# KiCad board Rogelio Pineda - connect 4 AMLDC-2044B.kicad_pcb (continued)
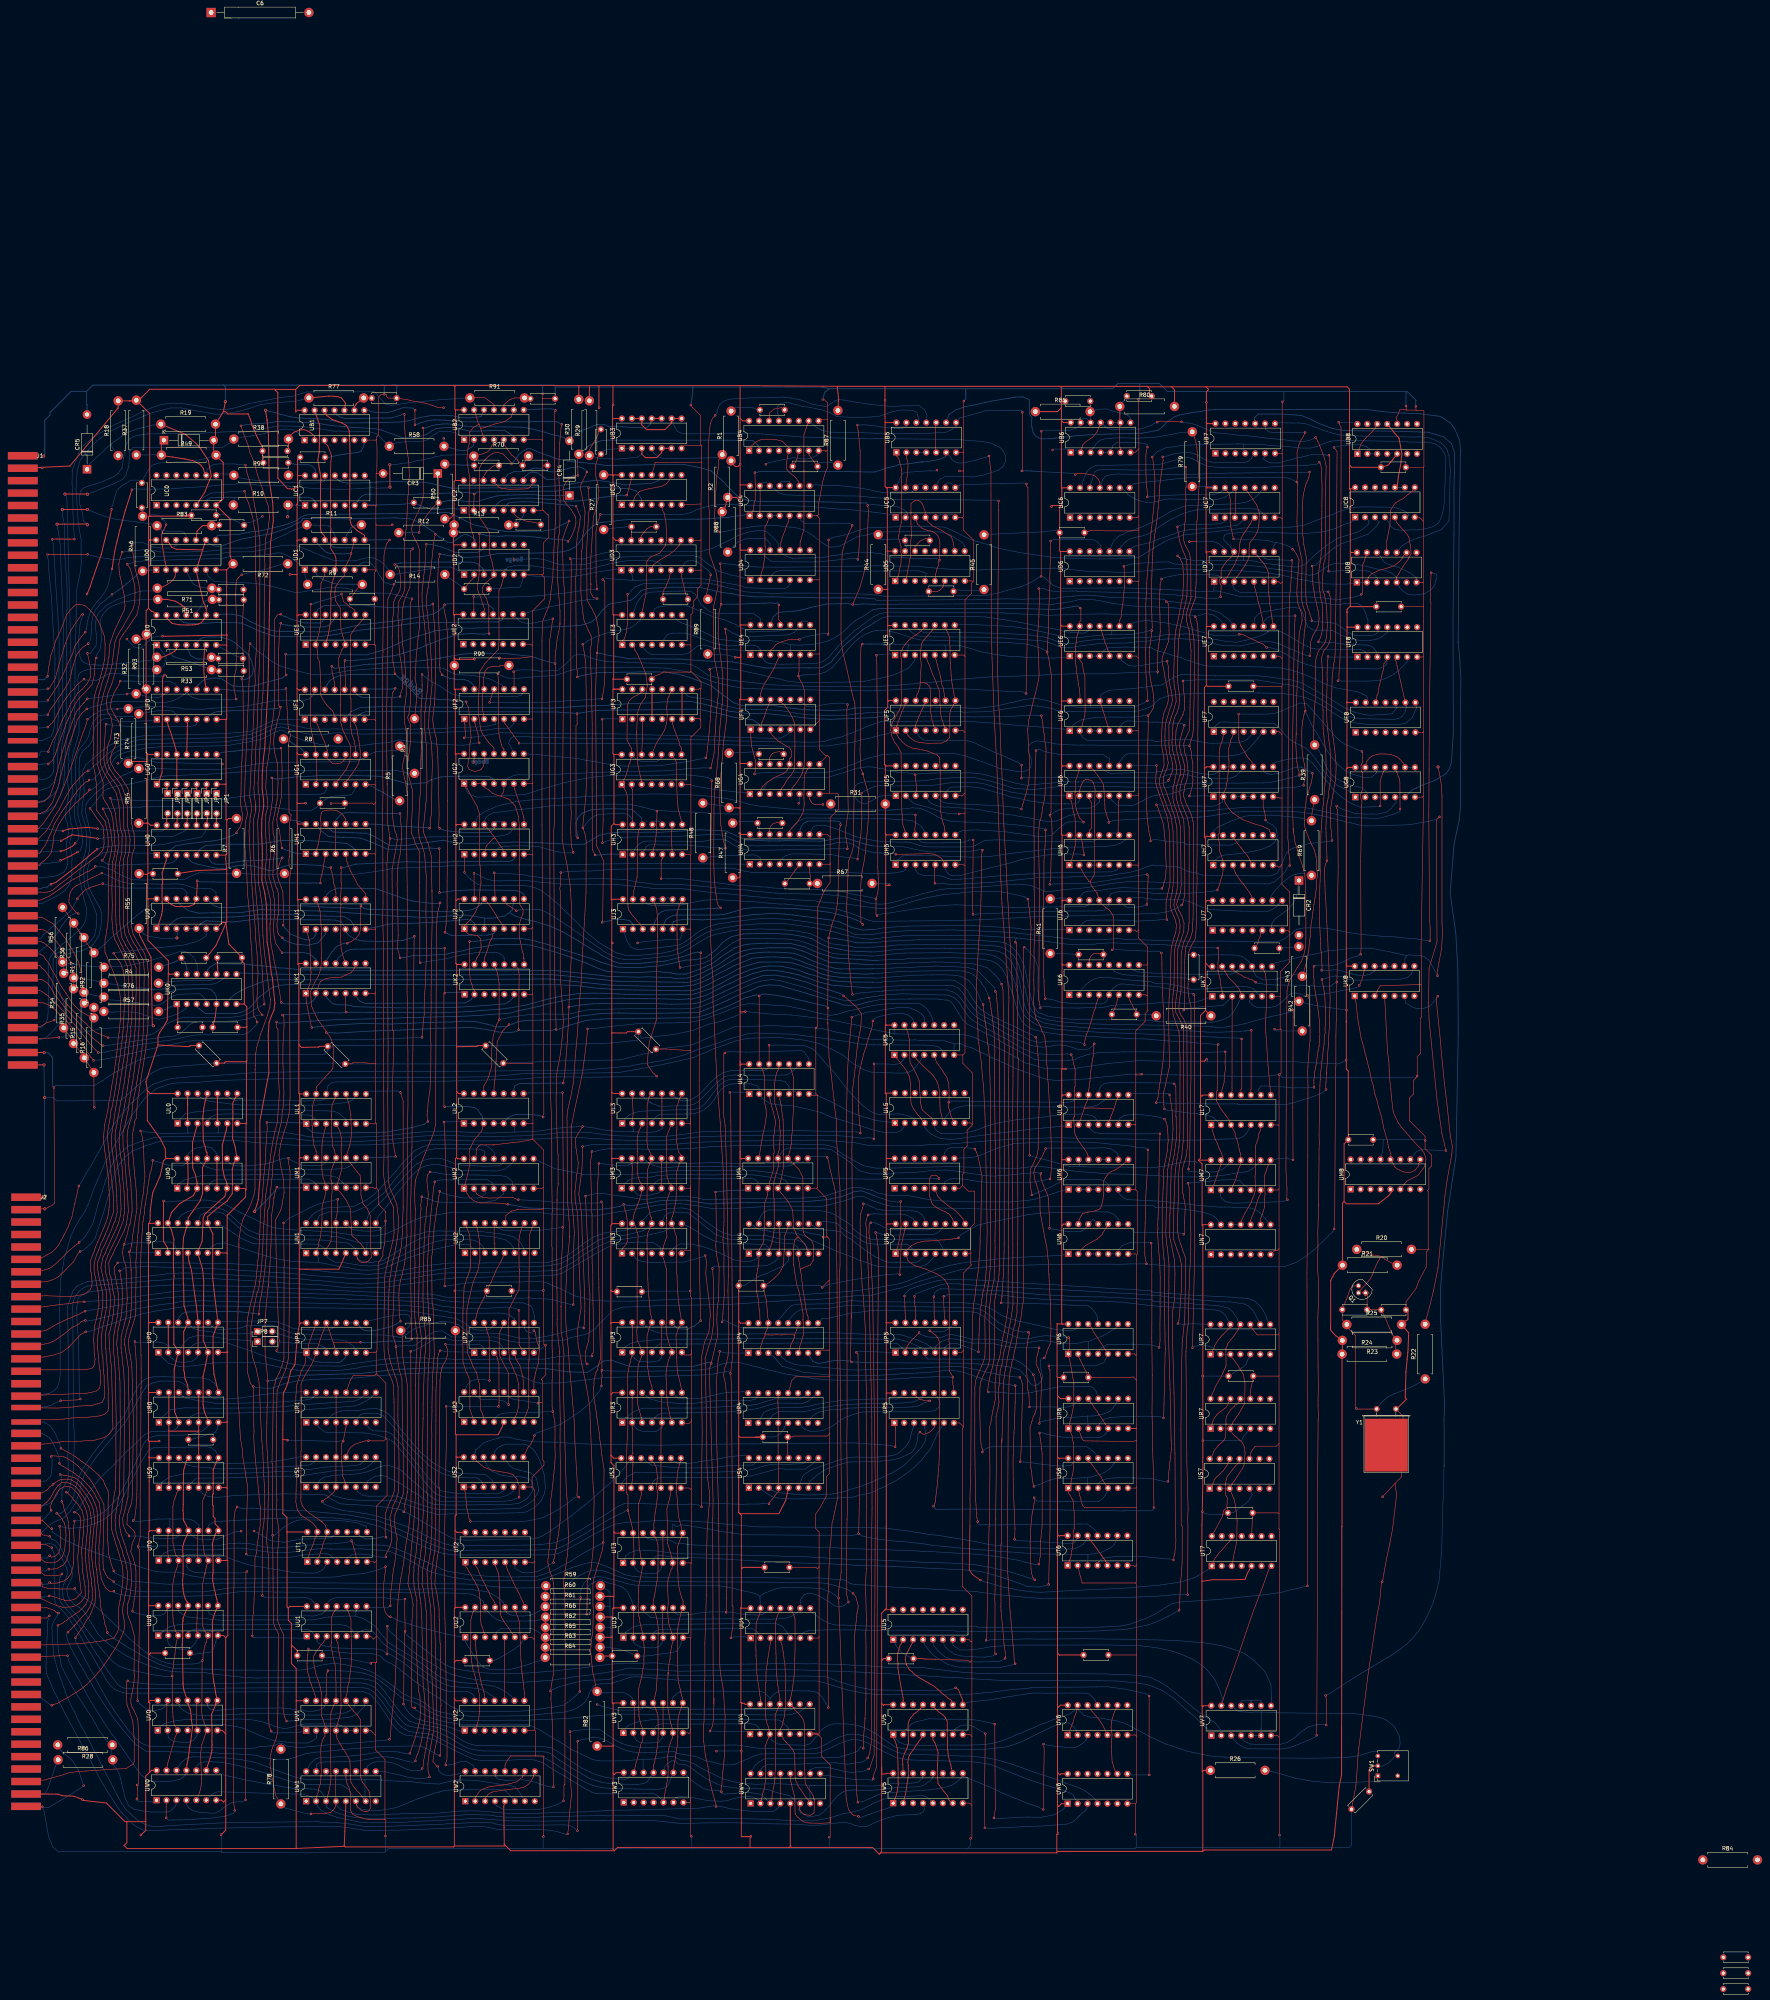
[diagram p0: board, top side]
## Routing (per net, layer and track width the routed paths; a pad name or vN(x,y) marks a point on that pad's centre or on a via; arc(x,y) is an arc through that point) (continued)
G2p1: length 409.6
  Top w0.15: 342.91,166.17 342.89,166.2 v1(342.98,166.2) 342.98,166.11 343.18,165.91 343.18,163.18 342.88,162.89 UP6.1 342.88,161.24 343.24,160.71 343.4,159.56 343.63,158.43 344.03,155.98 344.26,155.13 344.31,154.13 344.3,153.16 344.3,148.75 344.17,148.47 344.1,147.99 343.79,146.41 343.57,145.52 343.44,145.14 343.24,144.33 UR6.1 343.52,141.91 343.87,141.14 343.89,140.41 344.18,139.32 344.25,139.05 344.25,136.16 344.3,134.56 344.25,133.32 344.21,132.39 343.95,131.18 343.66,129.79 343.53,128.38 US6.1 343.03,126.29 343.35,125.87 344.1,124.58 344.39,121.61 344.42,119.2 344.4,118 344.42,117.34 344.16,116.67 344.16,114.51 343.94,112.49 343.77,111.64 343.65,110.69 343.41,109.73 ; v1(254.45,170.18) 254.65,172.38 254.8,174.62 255,177 254.96,180.18 254.89,183.9 254.94,187.59 254.67,191.1 254.94,195.86 254.91,200.31 254.85,204.8 254.71,208.87 254.31,215.14 254.2,216.45 253.96,221.17 253.53,226.26 253.13,231.64 252.89,236.78 252.69,240.36 252.44,246.46 252.11,251.73 252.13,257.73 251.8,261.2 251.71,264.05 251.42,269.01 251.58,270.27 251.47,271.96 251.47,274.5 251.58,280.84 251.49,287.38 251.78,305.81 251.71,306.79 251.82,307.37 v1(251.78,308.41) ; UK2.13 191.81,263.19 191.97,263.35 192.35,264 192.52,264.67 192.88,265.39 192.78,267.93 191.95,268.86 189.7,269.16 188.58,270.2 UJ2.1 188.58,271.38 190.12,272.89 191.44,274.87 192.34,276.96 192.64,281.43 192.85,282.32 192.74,284.32 192.78,284.85 192.55,286.95 192.45,287.55 192.45,299.93 191.9,301.5 191.9,301.69 190.04,305 189.35,306.31 188.53,307.13 UG2.1
  Top w0.2: 343.41,109.73 UT6.1
  Bottom w0.15: v1(342.98,166.2) 339.65,166.51 338.71,166.55 337.12,166.65 336.32,166.55 335.25,166.44 334.42,166.23 333.78,166.09 333.44,165.96 331.42,165.85 329.76,166.2 325.3,168.12 324.09,169.04 323.32,169.73 321.46,171.43 319.58,172.55 317.39,172.8 314.95,172.86 314.52,172.88 312.47,172.88 312.41,172.93 309.8,172.93 308.94,172.91 295.36,173.1 295.48,173.08 292.74,173.07 291.83,172.98 290.68,172.81 289.84,172.66 287.53,172.48 285.1,171.86 282.52,171.34 281.78,171.14 279.99,170.99 UP4.9 278.76,168.93 278.23,168.59 276.77,168.54 275.57,168.55 260.56,168.42 259.57,168.69 257.93,169.17 256.58,169.76 255.95,170.19 254.95,170.68 254.45,170.18 v1(254.45,170.18) ; v1(251.78,308.41) 251.78,308.75 250.89,309.1 250.63,309.23 249.22,309.47 246.94,309.74 244.86,309.9 243.77,309.98 236.22,309.68 227.1,309.74 225.17,309.65 222.51,309.44 221.27,309.27 219.45,308.95 217.43,308.6 214.55,307.99 213.24,307.61 211.69,307.2 210.62,306.89 208.04,306.18 206.23,305.54 204.66,305.04 204.04,304.86 202.58,304.81 201.86,304.69 199.97,304.68 199.28,304.67 198.89,304.64 196.53,304.43 195.54,304.4 191.99,304.18 190.92,304.51 189.6,305.13 188.91,306.49 UG2.1
G2p4: length 114.6
  Top w0.15: v1(139.4,309.11) 139.59,308.92 139.59,303.89 139.22,301.04 138.66,297.82 138.71,294.68 139.07,291.67 139.03,290.73 139.03,288.98 138.77,287.61 138.66,283.89 139.16,282.14 139.75,279.92 139.91,278.63 140.03,278.13 140.05,276.57 140.06,274.9 140.1,274.17 139.89,272.43 139.82,270.72 139.99,268.63 140.23,267.54 140.4,266.81 v1(142,264.45)
  Bottom w0.2: UK1.13 150.67,262.76 150.13,263.22 149.6,263.74 148.86,264.2 147.54,264.5 146.06,264.48 145.5,264.41 145.07,264.45 v1(142,264.45) ; v1(139.4,309.11) 140.25,308.82 141.31,308.87 145.64,309.36 149.96,309.58 151.31,309.69 152.75,309.77 158.38,309.8 164.05,309.61 166.94,309.52 168.17,309.24 169.4,308.89 174.46,307.51 178.78,307.89 180.13,308.63 182.58,309.36 186.24,309.53 188.53,309.55 190.68,309.57 194.88,309.49 196.24,308.63 UG2.4
G2p6: length 10.8
  Top w0.15: UH2.8 203.86,298.53 203.7,299.24 203.23,301 202.53,302.93 201.99,304.62 201.36,306.38 UG2.6
G2p8: length 125.5
  Top w0.15: v1(250.28,314.22) 250.45,314.7 250.73,316.59 250.74,316.95 251.02,319.57 251.12,320.59 251.4,323.8 251.51,324.96 251.6,327.58 251.65,327.63 251.65,331.81 251.66,332.85 251.46,335.42 251.41,336.15 v1(251.26,336.87)
  Bottom w0.15: v1(251.26,336.87) 251.49,336.87 252.01,337.18 252.84,337.36 253.93,337.26 254.95,337.21 258.12,336.77 261.64,336.01 264.06,335.52 266.77,334.84 268.72,334.45 271.36,333.8 274.5,333.43 281.08,333.53 284.63,333.54 288.67,333.65 290.19,333.75 291.58,333.9 292.72,334.19 294.84,334.55 296.15,334.88 298.34,335.46 300.33,336.29 302.1,337.2 302.98,338.21 303.77,339.28 UE5.3 ; UG2.8 204.94,315.25 205.7,315.1 206.95,315.09 211.9,314.6 214.15,314.38 217.68,314.06 219.52,313.62 222.54,313.16 224.09,312.8 229.47,312.12 233.16,312.11 238.93,312.28 243.19,312.91 246.39,313.42 247.84,313.73 249.31,314.01 249.93,314.22 v1(250.28,314.22)
G2p9: length 373.1
  Top w0.15: v1(367.03,391.11) 367.01,391.09 367.14,390.31 366.88,388.53 366.67,386.77 366.58,386.26 366.48,385.25 366.35,384.67 366.24,383.61 366.19,382.71 366.16,382.45 366.12,380.76 366.04,379.95 365.96,379.4 365.89,378.2 365.86,378.04 365.59,375.49 365.42,374.2 365.13,372.18 364.91,370.82 364.75,369.09 364.65,368.2 364.51,367.36 364.48,366.6 364.45,365.77 364.39,364.9 364.27,361.85 364.25,360.85 364.11,357.43 364.11,355.65 364.18,352.5 364.16,351.92 364.26,350.95 364.24,349.99 364.37,347.44 364.19,346.87 v1(364.19,346.74) 364.2,346.01 363.8,343.26 363.66,342.5 363.63,341.06 363.64,340.16 363.64,338.62 363.69,337.59 363.65,336 364.02,333.55 364.35,332.07 364.63,330.42 364.73,329.62 364.73,328.71 364.78,327.99 364.72,327.57 364.62,326.98 364.12,326.06 363.72,325.5 363.29,325.07 v1(363.29,325.01) 363.33,322.65 363.23,319.04 362.96,309.82 362.91,308.93 362.88,303.34 362.91,302.54 362.92,301.08 363.01,299.96 362.99,299.74 363.02,298.96 363.08,298.43 363.32,296.7 363.5,295.37 363.74,294.32 363.96,293.48 363.92,293.45 v1(363.92,292.97)
  Bottom w0.15: UH7.11 387,293.66 386.86,293.42 386.83,293.42 385.76,292.48 384.43,291.97 383.42,291.91 383.12,291.95 381.98,291.95 ; 353.91,345.83 353.83,345.75 350.35,345.49 349.3,345.37 346.11,345 345.49,345 345.19,344.98 342.57,345.04 339.6,345.61 336.76,346.29 335.73,346.54 334.15,346.79 332.71,347.13 330.48,347.48 328.91,347.7 326.59,347.86 324.44,348.01 320.35,348.17 319.27,348.29 317.3,348.34 315.59,348.35 314.67,348.37 UE5.8 ; 353.91,345.83 353.84,345.66 358.08,345.7 358.95,345.82 359.63,345.83 361.82,346.25 363.11,346.58 v1(364.19,346.74) ; 353.91,345.83 354.01,346.1 354.07,347.3 UE6.10 ; v1(367.03,391.11) 368.06,391.31 369.36,391.74 369.95,391.86 370.88,392.02 372.65,392.27 374.07,392.16 375.37,391.79 ; v1(363.29,325.01) 362.17,325 361.16,324.84 359.92,324.69 359.34,324.63 356.5,324.63 356.1,324.61 355.66,324.64 352.34,324.64 349.56,324.51 349.01,324.41 348.41,324.34 346.13,323.89 344.77,323.14 344.14,322.63 343.91,322.16 UF6.1 343,321.41 339.62,321.81 337.68,321.88 334.06,322.27 331.15,322.42 326.56,322.82 325.41,322.98 319.26,323.41 318.19,323.47 316.14,323.54 312.97,323.6 312.05,323.6 310.22,323.63 302.31,323.58 302.04,323.5 301.74,323.48 294.99,323.48 294.36,323.25 293.15,322.85 292.63,322.65 292.22,322.55 291.65,322.3 290.59,321.82 289.04,321.19 284.98,319.61 281.76,318.83 280.7,318.47 277.65,318.22 256.76,318.56 255.15,318.68 245.34,318.96 245.3,319 224.99,319.14 222.63,319.1 205.46,319.55 204.49,319.67 201.13,319.7 200.26,319 199.9,317.97 200.65,316.62 200.83,316.29 UG2.9 ; 375.37,391.79 375.88,391.55 377.91,390.28 379.28,389.84 380.56,389.6 387.14,389.63 387.99,389.69 389.04,390.03 389.74,390.68 389.91,391.25 UB7.5 ; 375.37,391.79 375.48,391.76 ; 381.98,291.95 376.89,292.01 372.99,292.13 372.62,292.57 369.08,292.83 367.64,292.97 366.82,293.15 365.18,293.35 364.58,293.32 v1(363.92,292.97) ; 381.98,291.95 382.28,291.95
G2p10: length 233.4
  Top w0.15: v1(332.1,330.66) 332.63,354.83 332.59,383.3 332.19,383.7 v1(332.19,384.19) ; UG2.10 198.69,316.49 198.26,316.92 198.1,317.53 197.76,318.66 197.42,320.34 197.29,328.19 197.31,333.6 v1(197.15,335.68) 197.23,335.57
  Bottom w0.15: v1(197.15,335.68) 198.23,335.18 199.6,334.63 201.44,334.55 202.83,334.61 203.85,334.68 205.07,334.88 205.43,334.82 207.52,335.07 208.97,335.1 210.49,335.18 211.95,335.34 213.89,335.91 214.66,336.23 214.95,336.31 216.56,336.81 218.73,337.25 221.44,337.17 229.22,337.37 236.39,337.27 240.28,337.14 245.85,336.14 247.15,335.78 248.7,335 252.62,333.5 257.08,332.47 260.23,331.94 271.4,331.7 281.29,331.51 291.72,331.35 292.57,331.35 294.19,331.44 299.06,331.62 301.43,331.77 305.18,332 307.66,331.99 310.25,331.99 312.32,331.93 315.05,331.86 316.69,331.81 320.78,331.58 324.87,331.34 327.32,331.21 328.99,331.14 331.27,331.12 331.87,330.66 v1(332.1,330.66) ; v1(332.19,384.19) 331.32,384.43 330.21,384.41 328.45,384.29 327.85,384.31 325.74,384.31 325.71,384.34 321.52,384.16 320.61,384.13 319.19,384.11 318.53,384.06 315.24,383.94 UC5.8 312.83,384.44 311.87,384.44 311.48,384.05 UC5.9
G3p8: length 9.5
  Top w0.15: UF3.6 241.78,323.05 241.98,322.15 243.47,318.25 243.62,317.39 243.96,316.94 244.05,316.85 UG3.8
G3p9: length 18.4
  Top w0.15: UH3.8 243.19,301.31 243.01,303.32 242.83,307.24 242.72,312.9 242.7,313.25 242.4,313.86 UG3.9
G3p11: length 17.9
  Top w0.15: UF3.11 241.23,330.95 240.86,329.92 240.5,329.26 240.28,327.12 240.43,324.94 240.28,323.21 239.71,321.22 237.61,317.91 UG3.11
G3p12: length 9.1
  Top w0.15: UG3.12 234.08,319.04 234.13,320 234.13,320.65 UF3.3
G5p4: length 135.7
  Top w0.15: 427.44,308.9 427.17,309.57 UG8.10 ; 427.68,300.96 427.68,301.13 v1(427.66,301.16) 427.61,308.12 427.42,308.99
  Bottom w0.15: 378.68,300.67 374.71,300.58 373.91,300.55 373.25,300.51 367.31,300.65 365.65,300.66 359.54,300.57 358.55,300.56 356.46,300.42 355.68,300.36 354.56,300.24 345.37,299.94 344.03,299.68 343.16,299.57 341.33,298.72 339.78,298.07 338.11,297.98 336.47,298.15 335.53,298.35 333.89,298.69 332.15,299.04 330.24,299.29 328.63,299.63 325.75,300 324.56,300.29 324.13,300.33 321.94,300.62 320.8,300.89 318.3,301.18 316.19,301.38 312.16,301.66 311.43,301.63 310.2,301.75 308.82,302.19 307.83,302.61 307.31,303.13 306.8,303.81 UG5.4 ; 378.68,300.67 379.78,300.72 380.97,300.97 381.98,301.12 383.48,301.21 388.33,301.64 390.29,301.62 402.71,301.63 403.57,301.49 405.32,301.16 406.86,300.81 410.12,300.08 411.45,299.77 413.73,299.18 414.41,299.1 414.9,299.01 415.59,299.01 421.8,298.72 423.87,299.21 426.3,299.93 427.64,300.59 v1(427.66,301.16) ; 378.68,300.67 378.99,300.68
G5p5: length 179.9
  Top w0.15: v1(330.91,301.16) 331.27,302.4 331.66,303.62 331.87,304.39 332.13,305.18 332.42,306.47 332.73,307.62 332.92,309.85 332.94,311.07 332.98,312.81 332.94,314.55 332.78,315.92 332.52,321.34 332.57,321.75 332.77,323.84 332.96,324.53 333.06,325.08 333.3,325.79 333.61,327.36 333.77,327.92 334.12,329.37 334.46,330.5 335.26,334.01 335.43,335.47 335.28,340.59 335.02,344.84 335.38,350.27 335.41,351.52 335.58,356.47 v1(335.35,357.46) ; UD7.12 384.9,366.49 384.76,365.82 384.21,365.14 383.86,364.91 383.56,364.6 383.13,364.17 382.08,362.62 381.94,361.6 381.98,360.17 381.51,359.86 381.73,358.41 381.95,358.25 381.93,357.61 v1(381.81,355.39) 381.93,355.34
  Bottom w0.15: UD7.12 384.04,368.54 383.78,368.68 383.4,369.08 382.63,369.9 382.63,370.44 382.74,370.98 382.92,371.25 384.05,371.6 384.82,371.63 385.16,371.6 388,371.9 389.01,371.95 394.42,371.74 395.44,371.74 403.21,371.47 408.47,372.04 411.09,372.79 413.26,373.8 415.33,374.49 UC8.1 ; UG5.5 309.93,303.54 310.65,302.98 311.66,302.68 314.67,302.4 316.45,302.39 318.85,302.34 321.67,302.15 325.88,301.96 327.47,301.79 328.89,301.65 329.86,301.54 v1(330.91,301.16) ; 380.39,354.99 379.27,354.99 378.96,355.02 377.9,355.01 375.63,355.27 ; v1(335.35,357.46) 336.62,357.46 337,357.29 337.51,357.08 338.52,356.85 339.63,356.76 344.98,356.85 345.12,356.71 357.58,356.46 359.51,356.45 360.09,356.45 366.98,356.06 368.03,355.95 369.66,355.88 370.79,355.77 372.31,355.64 374.5,355.43 375.63,355.27 ; 375.63,355.27 375.8,355.24 ; 380.2,354.99 381.04,355.02 v1(381.81,355.39)
G5p6: length 310.4
  Top w0.15: 408.9,233.59 408.92,234.73 409.07,236.24 409.06,237.46 409.32,240.55 409.33,241.17 409.43,243.22 409.66,246.34 409.67,248.24 409.78,252.72 ; 348.52,282.62 349.52,284.38 349.59,301.12 349.74,306.26 349.35,307.78 348.78,308.46 348.02,308.65 347.76,308.66 347.23,308.64 346.81,308.4 346.44,307.75 345.98,306.77 345.82,305.87 345.73,305.78 UG6.2 ; 348.52,282.62 348.76,281.69 349,281.28 349.67,280.42 350.23,279.79 350.23,279.56 350.5,278.95 UJ6.11 350.8,277.31 351.59,276.83 351.94,276.54 352.42,276.02 352.84,275.7 353.28,275.45 353.7,274.89 353.94,274.55 354.19,274.16 354.47,273.64 354.47,265.52 354.14,265.19 v1(354.07,265.19) 354.07,265.13 354.11,265.16 ; 348.52,282.62 348.15,282.61 347.95,283.08 347.32,283.85 346.52,285.17 UH6.2 ; 409.78,252.81 409.39,263.11 409.27,265.1 409.2,267.52 409.1,268.73 408.93,272.56 408.85,274.19 408.65,278.19 408.52,279.5 408.46,281.66 408.44,282.65 408.31,285.17 408.52,286.82 v1(408.97,287.96) 408.97,289.01 408.77,294.24 408.75,295.17 408.7,296.16 408.95,302.24 409.12,303.12 409.27,303.91 409.53,306.36 409.77,307.75 409.99,309.03 409.99,310.79 409.78,316.45 409.47,318.74 409.18,321.45 408.98,323.41 408.87,326.54 408.81,327.22 408.86,327.47 409.04,334.18 409.01,335.93 409.15,337.73 409.15,338.84 v1(409.26,340.13) ; 408.9,234.07 408.78,232.32 408.73,231.32 408.67,230.43 v1(408.75,229.52) ; v1(365.36,226.16) 365.82,227.6 366.04,229.41 366.22,230.8 366.51,232.19 366.54,233.08 366.72,233.72 366.85,235.07 367.03,236.1 367.29,238.92 367.38,242.17 367.4,242.95 367.26,248.95 367.22,249.19 367.2,249.86 367.04,252.95 366.96,253.95 366.81,261.3 366.81,261.74 366.79,263.27 v1(366.67,264.4)
  Bottom w0.15: v1(365.36,226.16) 366.33,226.17 367.16,226.17 368.18,226 371.55,225.96 373.64,226.06 374.63,226 378.42,225.85 ; UG6.2 345.73,303.36 345.53,302.93 344.76,302.48 341.85,302.48 ; v1(354.07,265.19) 354.18,265.29 363.9,264.83 365.43,264.86 366.29,264.76 v1(366.67,264.4) ; v1(408.75,229.52) 407.88,228.73 407.12,228.39 404.69,227.44 402.86,226.91 401.49,226.46 400.56,226.16 399.28,225.87 398.61,225.67 386.31,225.67 386.13,225.85 378.42,225.85 ; UE8.1 409.41,339.98 v1(409.26,340.13) ; UG5.6 311.75,305.5 311.97,305.94 312.77,306.75 316.94,306.86 319.71,306.72 321.55,306.27 323.05,305.8 325.81,305.03 328.37,304.2 330.37,303.88 332.75,303.28 335.39,302.9 336.41,302.71 338.2,302.64 339.45,302.48 341.85,302.48 ; 341.85,302.48 342.27,302.48 ; 378.42,225.85 378.47,225.85
G6p1: length 18.3
  Top w0.15: 343.19,304.55 343.19,303.73 343.74,303.17 343.99,301.38 344.24,300.29 344.5,299.64 344.73,297.66 344.72,296.69 344.72,295.53 344.62,294.38 344.68,293.52 344.83,292.84 344.7,292.12 344.53,291.34 344.42,290.73 344.27,289.99 344.1,289.29 343.82,288.37 UH6.1
G6p3: length 10.5
  Top w0.15: UG6.3 348.27,303.77 348.76,302.87 348.87,296.36 348.26,295.75 UH6.12
G6p6: length 13.3
  Top w0.15: UH6.9 355.61,295.51 355.74,302.65 355.74,303.39 355.89,303.54 UG6.6
  Bottom w0.15: UH6.10 354.08,295.02 355.56,295.03 355.88,294.71 UH6.9
G6p8: length 71
  Top w0.15: v1(368.06,272.91) 367.97,273.65 367.92,274.06 367.86,274.78 367.87,277.38 368.13,278.74 368.47,280.23 368.62,280.87 368.83,281.84 368.89,282.57 368.81,294.36 368.52,297.01 368.08,299.43 367.45,301.12 366.87,302.92 366.47,303.89 365.79,305.9 365.53,306.53 365.28,307.53 365.23,308.26 365.3,309.99 365.52,311.26 v1(365.41,312.28)
  Bottom w0.15: v1(365.41,312.28) 359.33,312.34 359.12,312.56 358.73,312.17 UG6.8 ; v1(368.06,272.91) 366.68,272.91 366.03,272.84 364.31,272.68 360.19,272.55 359.63,272.61 358.86,272.56 355.78,272.79 355.12,272.8 349.28,272.8 348.77,272.78 347.56,272.69 346.55,272.05 346.11,271.36 UJ6.2
G6p9: length 41.8
  Bottom w0.15: 375.63,314.83 375.08,314.89 359.2,315.3 358.95,315.3 358.02,315.21 357.44,315.02 356.72,314.21 355.89,313.14 UG6.9 ; 375.63,314.83 376.08,314.78 ; 375.63,314.83 381.58,314.63 383.37,314.63 384.24,314.75 384.72,314.75 385.28,314.89 ; 385.28,314.89 386.48,315.09 388.15,315.82 389.02,316.57 390.03,317.69 390.56,318.26 391.17,319.03 391.32,319.25 391.69,319.68 392.07,320.19 UF7.6 ; 385.28,314.89 385.38,314.89
G6p10: length 160.3
  Top w0.15: v1(338.22,206.68) 338.45,207.85 338.6,210.44 338.6,211.76 338.58,213.26 338.5,216.61 338.32,221.28 338.17,224.19 337.76,230.92 337.59,232.99 337.48,235.28 337.4,235.9 337.22,240.28 337.07,241.42 336.84,243.21 336.06,244.72 335.74,245.77 334.66,247.59 334.21,249.83 334.01,251.73 334.14,255.05 334.08,257.5 334.16,262.57 334.14,264.92 334.31,270.76 334.23,270.85 334.23,279.06 334.16,280.68 334.16,294.07 334.11,294.12 334.11,295.98 334.14,297.97 334.4,308.86 334.46,311.66 v1(334.63,316.11)
  Bottom w0.15: UG6.10 353.45,313.98 352.55,314.56 351.78,315.06 349.31,315.06 348.77,315.05 346.8,315.03 341.61,315.06 340.77,315.06 338.57,315.47 337.66,315.66 336.48,315.97 335.4,316.47 335.21,316.34 v1(334.63,316.11) ; UM5.6 311.3,205.89 312.59,206.67 313.68,206.78 314.33,206.81 317.07,206.49 318.31,206.27 321.7,205.84 326.71,205.81 330.27,205.79 332.39,205.81 334.25,205.88 335.17,206.08 v1(338.22,206.68)
G6p11: length 35.9
  Bottom w0.15: UG7.12 UG7.13 381.69,311.02 381.03,310.52 380.28,310.08 378.74,310.02 377.74,310.13 375.49,310.53 374.93,310.63 372.61,311.19 371.04,311.31 369.79,311.29 368.94,311.4 367.47,310.92 365.72,310.68 364.9,310.51 359.94,310.44 354.81,310.31 353.75,310.26 353.17,310.43 352.68,310.67 352.3,310.92 351.67,311.4 351.09,312.17 UG6.11
G6p12: length 198.3
  Top w0.15: v1(437.75,299.17) 436.97,298.39 436.97,284.75 437.1,267.22 435.06,260.49 434.94,251.6 435.06,247.41 437.1,226.96 438.37,218.2 v1(439.38,213.92) ; 353.27,297.67 353.24,297.7 v1(353.24,297.73) 353.21,297.73 353.24,298.31 352.95,298.85 352.7,299.64 352.26,301.13 352.23,302.24 352.2,303.29 351.93,306.99 351.92,307.29 351.34,308.34 351.04,308.8 350.6,309.53 349.65,310.68 349.3,311.15 UG6.12
  Bottom w0.15: 376.39,299.08 376.63,299.12 ; 376.39,299.08 378.5,299.31 379.37,299.38 381.07,299.71 382.62,299.93 384.88,300.35 386.5,300.44 391.64,300.59 392.32,300.57 397.05,300.65 398.03,300.64 399.66,300.6 402.65,300.31 404.19,300.07 406.25,299.71 407.01,299.57 409.07,299.15 410.87,298.69 412.58,298.21 412.95,298.16 413.71,297.9 415.19,297.62 417.07,297.11 419.05,296.82 425.24,296.97 430.27,297.17 435.13,298.07 435.78,298.21 437.03,298.58 v1(437.75,299.17) 437.66,299.21 ; 376.39,299.08 372.99,298.85 370.22,298.95 369.53,298.84 368.61,298.87 367.66,298.88 365.58,298.98 363.57,298.83 361.1,298.63 359.88,298.57 356.22,298.35 355.24,298.22 354.26,298.13 353.74,297.95 v1(353.24,297.73) ; 439.42,213.92 v1(439.38,213.92) 434.45,214.1 433.86,214.18 432.58,214.05 431.74,213.57 431.23,212.92 UM8.10
G7p3: length 5.1
  Bottom w0.15: UG7.3 UG7.4 UG7.5
G7p8: length 43.8
  Top w0.15: 422.67,301.82 422.57,301.92 v1(422.57,301.95) 422.57,308.2 422.87,309.36 UG8.11
  Bottom w0.15: UG7.8 395.22,312.59 395.57,312.91 396.09,313.17 397.02,313.42 398.25,313.71 400.67,314.11 401.81,314.23 403.94,314.04 405.16,313.02 405.9,312.14 406.71,311.14 408.2,309.12 409.92,307.16 410.34,306.4 411.99,304.76 414.33,303.07 415.78,302.32 417.46,301.66 418.64,301.65 421.06,301.75 421.11,301.8 422.43,301.8 v1(422.57,301.95)
G7p9: length 99.1
  Top w0.15: R42.2 403.15,258.92 403.08,259.72 403.43,260.87 403.57,261.3 404.01,263.1 404.19,264.53 404.27,264.69 404.33,265.27 404.52,267.22 404.6,267.83 404.72,268.69 404.78,269.95 404.89,271.47 405.18,273.18 405.33,274.58 405.46,275.35 405.64,276.74 405.79,277.57 405.92,278.43 406.09,279.45 406.18,280.31 406.25,280.88 406.25,282.9 406.6,284.15 406.33,286.06 406.37,287.7 406.18,289.01 405.97,289.71 405.8,290.48 405.68,290.89 405.12,291.96 404.77,292.81 404.48,293.36 404.23,293.98 404.08,294.38 403.42,296.1 403.26,296.92 403.18,298.27 403.25,300.04 403.63,303.07 403.87,304.52 404.17,305.29 404.56,306.66 404.93,307.77 405.14,308.78 405.29,309.55 v1(405.26,310.29) 405.29,310.25
  Bottom w0.15: R42.2 402.01,259.11 399.86,258.77 395.76,257.58 392.65,257.53 390.87,258.5 390.47,259.18 UK7.10 389.12,262.04 388.79,262.42 387.27,263.56 384.93,263.9 383.69,263.89 380.85,263.95 376.4,263.79 C48.1 ; UG7.9 392.78,310.69 393.64,310.22 394.75,309.98 396.24,310.19 397.82,310.73 399.84,311.41 401.23,311.89 402.4,311.89 404.65,310.73 v1(405.26,310.29)
G7p10: length 164.1
  Top w0.15: v1(417.59,264.07) 417.71,265.75 417.57,287.77 417.63,289.14 417.76,297.06 417.76,297.95 417.85,302.06 417.92,303.23 417.69,303.72 417.53,304.75 417.99,306.01 418.1,310.4 417.79,310.79 417.65,312.27 417.74,312.36 417.74,312.53 418.14,313.21 418.04,314.33 418.03,315.77 v1(417.92,315.89) ; v1(405.66,260.99) 405.54,260.18 405.61,259.74 405.61,258.33 405.62,258.09 405.7,257.4 405.65,256.68 405.74,256.07 406.02,254.32 406.16,253.39 406.39,252.36 406.59,250.98 406.72,249.57 406.88,248.72 407.05,246.77 407.15,244.04 407.15,243.38 407.01,241.69 406.96,240.59 406.72,239.42 406.24,236.02 406.06,235.1 405.83,233.9 405.76,233.01 405.63,231.83 405.66,231.2 v1(405.66,230.08) ; UG7.10 389.93,312.78 389.71,313.36 389.11,313.94 388.7,314.46 388.54,314.7 387.51,316.47 387.03,317.25 386.77,317.79 386.47,318.79 386.45,319.3 386.45,325.38 v1(386.42,325.42) 386.45,325.45 386.45,325.53
  Bottom w0.15: v1(417.92,315.89) 417.26,316.2 416.69,316.31 415.84,316.71 413.5,317.74 412.13,318.7 411.87,318.95 411.41,319.38 408.9,322.21 408.44,322.65 408.15,323.09 406.08,325.42 405.28,326.42 403.82,328.04 402.24,328.24 400.75,327.69 399.24,327.1 397.57,326.27 395.59,325.58 394.07,325.42 v1(386.42,325.42) ; v1(405.66,260.99) 405.66,261.06 406.19,261.16 ; UL7.9 391.36,229.5 391.7,229.91 392.07,230.38 392.99,230.43 396.96,230.23 398.76,230.11 399.25,230.01 399.91,229.95 403.54,229.95 403.93,229.96 v1(405.66,230.08) ; v1(417.59,264.07) 416.94,263.63 415.48,263.29 414.4,262.82 412.79,261.97 411.34,261.41 410.49,261.19 409.26,261.28 406.89,261.3 406.37,261.21 406.11,261.14
G8p3: length 2.5
  Bottom w0.15: UG8.3 UG8.4
G8p9: length 16.1
  Top w0.15: UG8.9 428.4,312.98 427.59,313.91 427.59,313.96 426.88,314.47 426,314.84 425.31,315.07 423.92,315.22 422.48,315.22 421.86,315.1 420.68,314.77 419.88,314.26 419.27,313.5 419.15,313.26 UG8.13
  Bottom w0.15: UG8.9 UG8.8
H0p5: length 43.6
  Bottom w0.2: UH0.5 120.93,290.79 122.46,291.86 126.46,292.09 129.22,292.18 134.22,292.11 136.65,292.25 141.65,293.13 147.39,293.16 153.23,292.83 158.58,292.37 159.96,291.49 160.77,290.67 160.52,289.98 UH1.6
H0p6: length 50
  Top w0.15: v1(142.27,271.47) 142.42,273.8 142.21,279.91 141.81,281.2 141.14,282.9 140.71,284.71 140.87,285.63 141.6,287.9 v1(142.07,288.72)
  Bottom w0.2: 150.48,268.88 150.5,268.88 ; 150.48,268.88 150.72,269.31 UJ1.2 ; 150.48,268.88 150.27,268.58 149.93,268.16 148.85,267.74 148.21,267.74 146.6,268.22 144.21,269.22 142.86,270.63 v1(142.27,271.47) ; v1(142.07,288.72) 140.84,288.48 139.47,288.35 138.74,288.27 136.23,288.05 134.52,287.97 132.04,287.91 130.38,287.68 128.24,287.23 127.05,287.06 125,287.08 123.96,287.51 UH0.6
H0p8: length 3
  Top w0.25: UH0.8 125.23,299.95 JP1.2
H0p10: length 3
  Top w0.25: JP3.2 120.15,299.87 UH0.10
H0p12: length 3
  Top w0.25: JP5.2 115.27,299.99 115.27,298.91 UH0.12
H1p5: length 13
  Top w0.15: UJ1.8 163.33,279.56 161.36,281.79 160.73,283.13 160.35,283.8 159.57,285.14 158.6,287.61 UH1.5
H1p11: length 329.6
  Top w0.15: 172.53,293.52 172.17,289.6 171.66,287.07 171.41,282.02 171.51,279.2 171.68,268.9 171.49,265.61 v1(172.18,263.16) ; UM7.3 385.17,205.39 385.63,206.36 385.88,207.45 386.08,207.85 386.41,209.31 386.8,210.06 UM7.11 386.95,213.01 386.78,213.46 386.61,213.92 386.32,215.56 385.91,216.92 385.66,217.5 385.47,218.52 UL7.3 384.23,220.71 384.06,221.65 383.23,222.75 382.96,223.16 381.97,224.4 381.62,225.04 380.77,226.64 380.77,229.12 380.97,229.32 380.97,229.9 381.05,229.98 381.05,240.99 381.09,241.03 v1(381.19,241.03) 381.19,241.13 381.12,241.06 ; 172.52,293.31 172.58,294.78 172.41,297.24 v1(172.14,300.03) ; UH1.11 UH1.4
  Bottom w0.15: 340.56,243.62 340.54,243.61 ; 340.54,243.61 338.42,243.92 336.51,244.23 334.53,244.69 333.24,245.18 331.91,246.02 331.06,246.98 330.3,248.46 329.88,249.65 329.32,251.63 328.88,253.02 328.41,254.69 327.8,256.12 327.21,258.05 326.35,259.74 326.17,260.04 325.74,260.65 324.64,261.67 323.38,262.31 322.36,262.55 320.66,262.81 319.18,262.96 317.24,263.05 312.82,263.19 306.56,263.06 305.59,263.1 302.47,262.97 301.75,262.92 300.82,262.78 298.05,262.71 296.88,262.66 293.84,262.52 ; 340.54,243.61 341.02,243.55 342.56,243.48 344.12,243.31 346.18,243.22 352.86,242.83 355.36,242.73 359.06,242.51 360.17,242.48 362.67,242.45 363.71,242.33 370.58,241.74 371.78,241.76 373.71,241.64 374.58,241.57 375.3,241.44 v1(381.19,241.03)
  Bottom w0.2: 294.09,262.52 292.94,262.5 283.81,263.08 282.84,263.21 282.18,263.48 279.24,264.32 277.8,264.92 275.41,266 273.27,266.51 272.07,266.79 266.07,266.9 265.61,266.9 261.35,266.67 260.01,266.44 257.64,265.68 256.81,265.08 254.3,263.5 253.08,262.51 251.88,261.7 250.24,260.96 250.03,260.77 248.65,260.26 246.89,259.58 245.61,259.17 245.32,259.02 244.43,259.01 243.8,259 242.71,259 241.44,259.31 239.58,259.47 237.43,259.69 235.26,259.52 233.87,259.42 230.2,259.34 225.08,259.67 222.75,260.48 219.76,261.79 218.04,262.44 214.92,263.62 212.12,264.53 208.81,265.47 205.58,266.39 203.48,266.59 196.52,266.51 194.41,266.15 190.06,265.53 188.68,265.05 185.23,264.43 183.85,264.06 178.55,263.76 177.77,263.77 177.56,263.74 175.41,263.71 173.85,263.36 172.22,263.11 v1(172.18,263.16) ; 169.43,300.05 169.45,300.03 v1(172.14,300.03) ; UH1.11 155.71,298.24 156.74,299.47 157.11,299.77 157.56,300.03 158.07,300.21 160.14,300.21 170.14,300.03 168.47,300.02
H1p12: length 310.7
  Top w0.15: v1(320.94,290.66) 320.67,289.02 320.68,282.05 320.65,281 320.57,277.99 320.51,275.83 320.24,270.49 320.14,268.76 320.08,268.08 319.91,265.54 319.55,258.71 319.4,256.23 319.4,251.46 319.82,244.25 319.82,242.46 320.04,241.3 320.18,240.03 320.68,236.32 320.94,233.07 321.2,230.63 321.31,228.98 321.43,226.37 321.48,225.05 321.61,223.05 321.87,209.83 322.17,193.21 322.01,186.94 321.98,184.03 321.67,180.44 321.47,179.17 321.06,177.69 320.94,176.81 320.81,176 320.76,175.11 320.57,174.31 320.24,170.83 320.09,166.78 v1(319.94,162.49)
  Bottom w0.15: UP5.6 311.28,162.48 311.37,163.67 312.34,164.46 313.35,164.72 314.4,164.69 314.94,164.43 317.06,163.65 318.6,163.09 v1(319.94,162.49) ; v1(320.94,290.66) 319.98,290.78 319.72,290.67 318.76,290.5 318.24,290.41 313.94,290.27 311.51,290.31 308,290.2 306.78,290.27 303.19,290.97 301.78,291.34 300.27,291.56 299.11,291.54 297.95,291.61 297.4,291.56 295.52,291.62 295.05,291.63 294.32,291.64 292.74,291.79
  Bottom w0.2: 292.74,291.79 290.48,292.33 289.1,292.79 285.98,293.73 284.05,293.72 279.85,292.95 270.84,293.08 269.13,293.01 266.35,293.01 260.46,293.26 255.31,295.57 248.92,295.86 246.74,295.71 238.17,295.2 236.93,295.28 233.04,295.22 229.15,295.32 225.91,295.05 223.09,294.46 219.3,292.19 216.66,292.09 215.88,292.13 211.62,292.36 203.91,292.69 201.09,292.73 197.01,292.48 193.47,292.42 189.35,292.34 185.33,292.71 183.17,293.2 180.49,292.79 175.83,292.19 174.49,291.94 173.22,291.86 169.61,291.8 165.06,294.42 163.51,294.97 159.98,295.1 157.93,295.24 156.92,295.2 154.99,295.3 153.71,296.48 UH1.12
H1p13: length 67.9
  Top w0.15: v1(182.24,279.84) 182.24,291.01 v1(182.17,291.08)
  Bottom w0.2: v1(182.17,291.08) 182.04,291.08 181.45,291.05 179.88,291.21 177.33,290.99 172.85,290.83 168.96,290.88 166.31,292.09 163.85,293.08 162,293.73 157.75,293.98 157.51,293.9 156.48,293.96 153.82,294.15 151.77,295.8 151.29,296.45 UH1.13 ; UJ2.8 203.82,279.44 202.65,280.08 201.94,280.28 201.74,280.37 193.96,280.46 190.2,280.5 186.13,280.33 184.33,280.05 v1(182.24,279.84)
H2p1: length 427
  Top w0.15: 326.83,84.23 326.8,84.25 v1(326.76,84.25) 326.76,84.3 326.84,84.81 326.75,85.92 326.46,88.09 326.31,89.35 326.32,89.97 325.7,96.41 325.67,97.5 325.69,98.23 325.69,113.34 325.84,113.49 ; 325.85,113.48 325.84,113.49 ; 325.84,113.49 325.84,139.13 325.95,140.3 ; 325.91,139.19 325.95,140.3 ; 325.95,140.3 326.29,150.09 326.27,153.42 326.36,154.71 326.52,156.02 326.82,158.07 327,158.77 327.41,161.22 327.76,162.97 327.96,163.97 328.51,166.08 328.75,167.71 328.96,168.56 329.27,169.6 329.42,170.66 329.81,172.51 329.78,173.31 329.78,174.08 329.88,175.59 329.97,190.27 330.01,195.74 329.97,209.82 330.01,214.27 329.94,223.04 329.95,224.64 330.1,237.57 329.97,237.7 329.97,246.98 329.87,247.08 329.87,256.1 329.78,256.2 329.78,261.77 329.71,262.84 329.62,266.9 v1(329.38,267.14) ; 188.58,284.93 188.58,284.94 v1(188.63,284.99) 188.58,285.03 UH2.1 ; UK7.2 382.22,253.78 382.26,254.4 382.07,255.25 381.79,256.42 381.67,257.76 381.13,259.92 381.13,262.05 381.32,263.3 381.25,265.5 v1(381.06,265.69)
  Bottom w0.15: 329.55,268.24 330.61,268.13 333.46,267.81 334.69,267.62 337.8,267.32 338.1,267.23 341.7,266.74 343.96,266.53 345.95,266.59 346.38,266.63 349.54,266.63 350.28,266.76 352.79,266.94 354.47,266.97 357.72,266.84 359.22,266.78 361.74,266.71 362.84,266.65 365.15,266.58 366.21,266.57 368.22,266.44 368.24,266.42 375.34,265.83 v1(381.06,265.69) ; 329.55,268.24 327.88,268.35 327.6,268.34 327.35,268.36 322.84,268.67 321.36,268.74 319.74,268.88 319.71,268.91 318.11,268.91 316.68,268.9 300.64,268.78 299.43,268.62 297.34,268.42 295.18,268.25 294.77,268.17 293.55,268.04 293.08,267.94 ; 329.55,268.24 329.64,268.15 329.4,267.9 329.4,267.72 v1(329.38,267.14) ; v1(326.76,84.25) 325.3,83.44 320.05,83.31 318.07,83.34 315.67,83.35 314.84,83.44 314.31,83.54 313.13,83.87 311.39,84.65 310.17,85.58 309.44,86.39 308.54,87.38 UU5.5 ; v1(188.63,284.99) 188.63,284.82 189.89,283.49 190.3,283.12 190.71,282.8 191.94,282 193.67,281.55 195.01,281.56 202.23,281.65 202.42,281.67 203.8,281.62 205.58,281.38 206.79,281.01 207.8,280.57 208.79,279.93 210.09,278.94 211.16,278.09 211.67,277.59 212.14,277.27 214.89,274.51 215.08,274.43 215.57,273.98 219.38,270.13 220.38,269.18 221.01,268.71 222.92,267.07 227.39,264.42 229.82,263.81 231.16,263.73 232.8,263.79 233.63,263.82 235.69,263.99 236.81,264.15 239.23,264.37 240,264.56 241.26,264.81 244.27,265.78 245.58,266.45 246.84,267.42 247.75,268.01 249.05,268.83 249.98,269.36 251.16,269.88 253.4,270.5 255.26,270.88 257.75,271.28 258.22,271.38 260.39,271.58 262.68,271.78 263.93,271.81 268.17,271.97 269.37,271.96 270.52,271.87 272.34,271.61 274.04,271.43 276.51,271.04 277.94,270.87 280.78,270.23 282.5,269.92 283.99,269.51 285.95,268.96 288.24,268.44 290.35,268.08 292.43,267.9 293.08,267.94 ; 293.08,267.94 293.14,267.95
